# KiCad board [DFR1144][M027.00940](V1.0.0).kicad_pcb (continued)
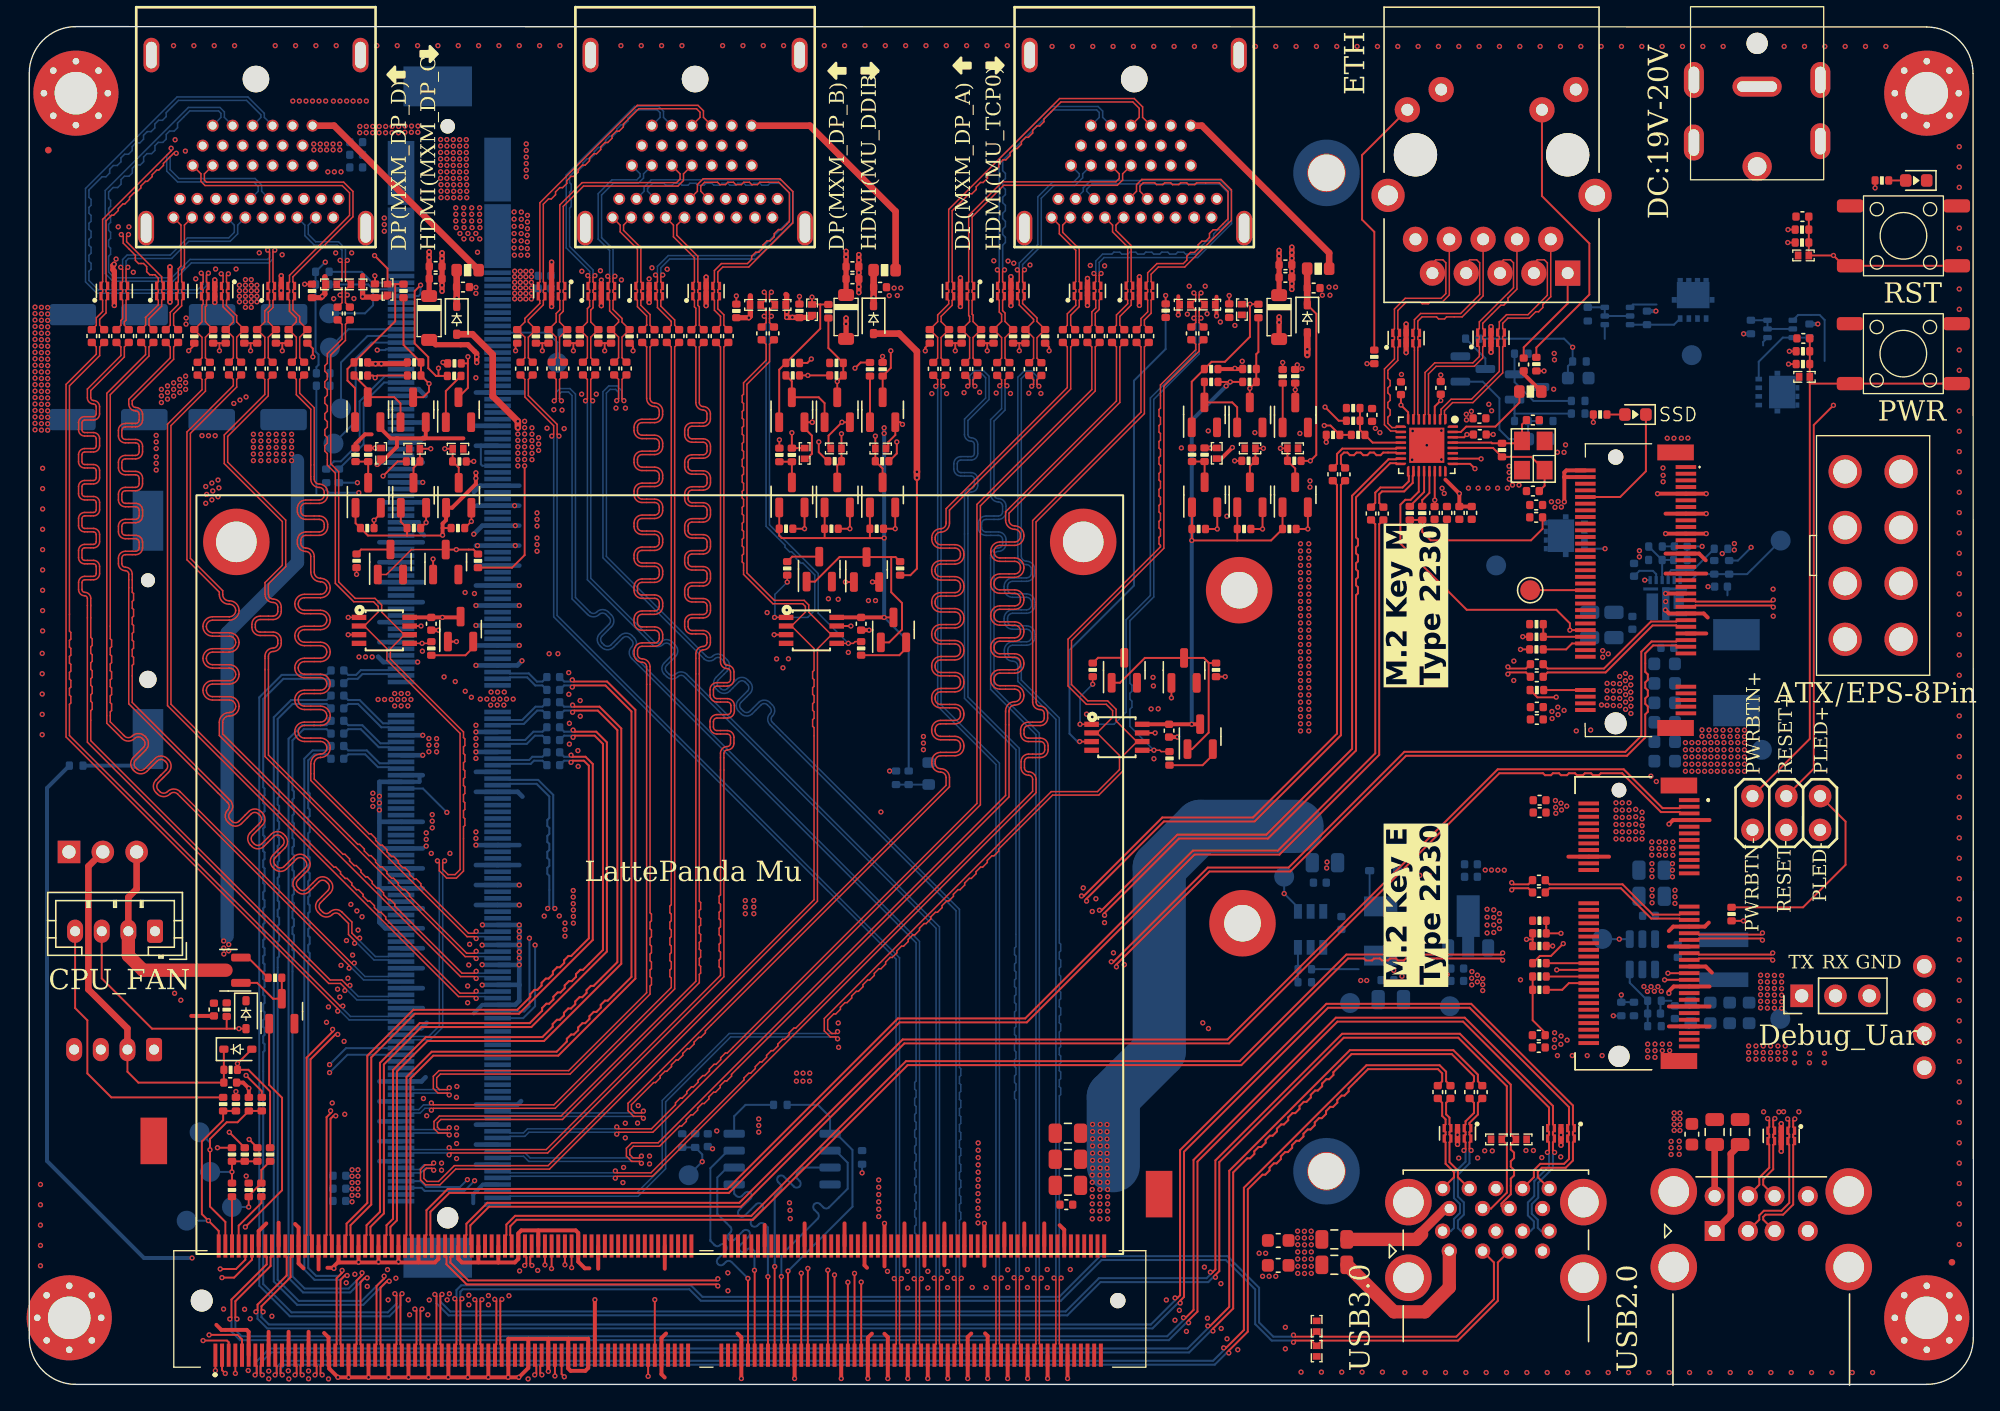
[diagram p0: board, top side]
## Placement (name value [footprint] x y rotation side) (continued)
R52  0R/1%  [R_0402_1005Metric]  113.41 34.83 180 top
R53  0R/1%  [R_0402_1005Metric]  113.41 31.64 180 top
R54  10K/1%  [R_0402_1005Metric]  113.41 29.64 180 top
R55  10K/1%  [R_0402_1005Metric]  113.41 30.64 0 top
R56  21K/1%  [R_0402_1005Metric]  116.32 73.88 0 bottom
R57  2.7K/1%  [R_0402_1005Metric]  112.05 77.43 180 bottom
R58  10K/1%  [R_0402_1005Metric]  116.32 72.93 0 bottom
R59  21.5K/1%  [R_0402_1005Metric]  112.05 72.37 180 bottom
R60  21.5K/1%  [R_0402_1005Metric]  113.92 72.37 180 bottom
R61  100K/1%  [R_0402_1005Metric]  116.42 76.84 0 bottom
R62  100K/1%  [R_0402_1005Metric]  108.38 78.56 0 bottom
R63  100R/1%  [R_0402_1005Metric]  119.56 28.2 90 bottom
R64  200R/1%  [R_0402_1005Metric]  127.84 35.33 90 top
R65  100R/1%  [R_0402_1005Metric]  133.2 76.65 180 top
R66  147K/1%  [R_0402_1005Metric]  95.79 31.19 180 bottom
R67  10K/1%  [R_0402_1005Metric]  133.2 77.61 180 top
R68  100K/1%  [R_0402_1005Metric]  120.51 28.2 90 bottom
R69  2.2K/1%  [R_0402_1005Metric]  139.13 90.44 180 top
R70  0R/1%  [R_0402_1005Metric]  17.43 14.61 90 top
R71  100R/1%  [R_0402_1005Metric]  133.13 85.78 180 top
R72  10K/1%  [R_0402_1005Metric]  133.13 86.75 180 top
R73  100K/1%  [R_0402_1005Metric]  126.54 61.38 90 bottom
R74  100R/1%  [R_0402_1005Metric]  127.66 61.38 270 bottom
R75  21.5K/1%  [R_0402_1005Metric]  122.05 28.82 0 bottom
R76  4.7K/1%  [R_0402_1005Metric]  122.05 26.91 180 bottom
R77  10K/1%  [R_0402_1005Metric]  18.46 30.54 180 top
R78  75K/1%  [R_0402_1005Metric]  124 61.93 0 bottom
R79  4.7K/1%  [R_0402_1005Metric]  15.52 21.05 270 top
R80  4.7K/1%  [R_0402_1005Metric]  15.22 17.27 270 top
R81  21.5K/1%  [R_0402_1005Metric]  16.49 21.05 90 top
R82  21.5K/1%  [R_0402_1005Metric]  16.48 14.61 90 top
R83  21.5K/1%  [R_0402_1005Metric]  17.46 21.05 270 top
R84  100R/1%  [R_0402_1005Metric]  14.56 21.05 90 top
R85  21.5K/1%  [R_0402_1005Metric]  18.08 17.27 90 top
R86  100R/1%  [R_0402_1005Metric]  16.18 17.27 90 top
R87  4.7K/1%  [R_0402_1005Metric]  14.82 28.15 270 top
R88  10K/1%  [R_0402_1005Metric]  122.12 61.93 0 bottom
R89  4.7K/1%  [R_0402_1005Metric]  15.12 23.63 0 top
R90  10K/1%  [R_0402_1005Metric]  66.04 45.57 270 bottom
R91  2.2K/1%  [R_0402_1005Metric]  63.64 64.28 0 top
R92  1M/1%  [R_0402_1005Metric]  56.83 64.28 0 top
R93  2.2K/1%  [R_0402_1005Metric]  60.24 64.28 0 top
R94  21.5K/1%  [R_0402_1005Metric]  56.33 69.82 90 top
R95  470R/1%  [R_0402_1005Metric]  36.65 78.73 270 top
R96  470R/1%  [R_0402_1005Metric]  38.05 78.73 270 top
R97  470R/1%  [R_0402_1005Metric]  40.39 78.73 270 top
R98  470R/1%  [R_0402_1005Metric]  38.99 78.73 270 top
R99  1K/1%  [R_0402_1005Metric]  57.27 69.82 90 top
R100  0R/1%  [R_0402_1005Metric]  113.19 55.21 0 top
R101  0R/1%  [R_0402_1005Metric]  92.31 80.64 90 top
R102  0R/1%  [R_0402_1005Metric]  60.01 80.62 90 top
R103  0R/1%  [R_0402_1005Metric]  28.1 82.14 90 top
R104  0R/1%  [R_0402_1005Metric]  22.3 68.25 90 bottom
R105  0R/1%  [R_0402_1005Metric]  23.25 68.25 90 bottom
R106  0R/1%  [R_0402_1005Metric]  99.8 71.33 180 top
R107  10K/1%  [R_0402_1005Metric]  22.07 75.96 0 bottom
R108  10K/1%  [R_0402_1005Metric]  22.07 75.02 180 bottom
R109  100K/1%  [R_0402_1005Metric]  22.01 82.63 180 bottom
R110  100K/1%  [R_0402_1005Metric]  39.43 79.01 180 bottom
R111  0R/1%  [R_0402_1005Metric]  113.41 32.93 180 top
R112  10K/1%  [R_0402_1005Metric]  22.01 83.58 180 bottom
R113  470R/1%  [R_0402_1005Metric]  17.11 78.73 270 top
R114  2.2K/1%  [R_0402_1005Metric]  28.83 69.33 0 top
R115  470R/1%  [R_0402_1005Metric]  20.88 78.73 270 top
R116  470R/1%  [R_0402_1005Metric]  19.48 78.73 270 top
R117  2.2K/1%  [R_0402_1005Metric]  32.3 69.33 180 top
R118  2.2K/1%  [R_0402_1005Metric]  31.91 75.76 0 top
R119  100K/1%  [R_0402_1005Metric]  28.91 76.78 180 top
R120  2.2K/1%  [R_0402_1005Metric]  28.91 75.79 0 top
R121  2.2K/1%  [R_0402_1005Metric]  24.9 75.79 180 top
R122  100K/1%  [R_0402_1005Metric]  24.9 76.78 0 top
R123  1M/1%  [R_0402_1005Metric]  21.23 82.15 270 top
R124  5.1M/1%  [R_0402_1005Metric]  25.96 82.16 270 top
R125  100K/1%  [R_0402_1005Metric]  79.86 53.68 90 top
R126  100K/1%  [R_0402_1005Metric]  85.63 47.03 270 top
R127  10K/1%  [R_0402_1005Metric]  89.12 53.68 90 top
R128  100K/1%  [R_0402_1005Metric]  56.92 61.3 90 top
R129  100K/1%  [R_0402_1005Metric]  62.47 55.29 270 top
R130  10K/1%  [R_0402_1005Metric]  65.4 61.3 90 top
R131  100K/1%  [R_0402_1005Metric]  24.58 61.87 90 top
R132  100K/1%  [R_0402_1005Metric]  30.19 55.28 270 top
R133  10K/1%  [R_0402_1005Metric]  33.7 61.87 90 top
R134  0R/1%  [R_0402_1005Metric]  65.09 45.57 270 bottom
R135  0R/1%  [R_0402_1005Metric]  97.91 71.33 0 top
R136  0R/1%  [R_0402_1005Metric]  15.22 14.61 90 top
R137  0R/1%  [R_0402_1005Metric]  17.13 17.27 270 top
R138  100K/1%  [R_0402_1005Metric]  56.4 21 180 bottom
R139  10K/1%  [R_0402_1005Metric]  49.03 18.31 270 bottom
R140  10K/1%  [R_0402_1005Metric]  95.79 30.21 180 bottom
R141  10K/1%  [R_0402_1005Metric]  117.04 80.4 90 bottom
R142  10K/1%  [R_0402_1005Metric]  121.49 80.12 270 bottom
R143  10K/1%  [R_0402_1005Metric]  129.3 79.43 90 bottom
R144  10K/1%  [R_0402_1005Metric]  133.69 79.15 270 bottom
R145  1K/1%  [R_0402_1005Metric]  122.13 62.94 180 bottom
R146  100K/1%  [R_0402_1005Metric]  127.05 62.77 180 bottom
R148  100K/1%  [R_0402_1005Metric]  91.64 76.28 180 top
R149  2.2K/1%  [R_0402_1005Metric]  91.64 75.31 0 top
R150  2.2K/1%  [R_0402_1005Metric]  88.76 75.31 180 top
R151  100K/1%  [R_0402_1005Metric]  88.76 76.27 0 top
R152  1M/1%  [R_0402_1005Metric]  85.34 80.66 270 top
R153  5.1M/1%  [R_0402_1005Metric]  90.12 80.66 270 top
R154  0R/1%  [R_0402_1005Metric]  64.09 76.26 90 top
R155  470R/1%  [R_0402_1005Metric]  41.34 78.73 270 top
R156  470R/1%  [R_0402_1005Metric]  42.74 78.73 270 top
R157  2.2K/1%  [R_0402_1005Metric]  60.49 69.35 0 top
R158  470R/1%  [R_0402_1005Metric]  45.08 78.73 270 top
R159  470R/1%  [R_0402_1005Metric]  43.69 78.73 270 top
R160  2.2K/1%  [R_0402_1005Metric]  64.05 69.35 180 top
R161  2.2K/1%  [R_0402_1005Metric]  63.14 76.26 270 top
SW1  SW_Push  [SW_Push_6x6x6]  140.74 77.43 180 top
SW2  SW_Push  [SW_Push_6x6x6]  140.75 86.28 180 top
TH1  NTC-10K  [R_0603_1608Metric]  67.55 45.89 90 bottom
TP1  TestPoint  [TestPoint_Pad_D1.5mm]  49.52 15.71 180 bottom
TP2  TestPoint  [TestPoint_Pad_D1.5mm]  112.72 59.66 270 top
TP3  TestPoint  [TestPoint_Pad_D1.5mm]  124.85 77.32 180 bottom
TP4  TestPoint  [TestPoint_Pad_D1.5mm]  131.53 63.39 180 bottom
TP5  TestPoint  [TestPoint_Pad_D1.5mm]  118.13 33.46 180 bottom
TP6  TestPoint  [TestPoint_Pad_D1.5mm]  22.85 70.68 180 bottom
TP7  TestPoint  [TestPoint_Pad_D1.5mm]  130.12 47.67 0 bottom
TP8  TestPoint  [TestPoint_Pad_D1.5mm]  131.5 27.46 0 bottom
TP9  TestPoint  [TestPoint_Pad_D1.5mm]  11.82 12.3 90 bottom
TP10  TestPoint  [TestPoint_Pad_D1.5mm]  12.79 18.94 90 bottom
TP11  TestPoint  [TestPoint_Pad_D1.5mm]  22.52 80.46 180 bottom
TP12  TestPoint  [TestPoint_Pad_D1.5mm]  39.65 76.75 90 bottom
TP13  TestPoint  [TestPoint_Pad_D1.5mm]  23.41 73.31 180 bottom
TP14  TestPoint  [TestPoint_Pad_D1.5mm]  22.58 77.89 180 bottom
TP15  TestPoint  [TestPoint_Pad_D1.5mm]  15.22 13.32 180 bottom
TP16  TestPoint  [TestPoint_Pad_D1.5mm]  13.58 15.96 180 bottom
TP17  TestPoint  [TestPoint_Pad_D1.5mm]  106.69 28.41 270 bottom
TP18  TestPoint  [TestPoint_Pad_D1.5mm]  110.16 61.52 180 bottom
TP19  TestPoint  [TestPoint_Pad_D1.5mm]  94.24 38.14 90 bottom
TP20  TestPoint  [TestPoint_Pad_D1.5mm]  99.19 28.65 270 bottom
U1  TPAZ1023-04F  [Diodes_UDFN-10_1.0x2.5mm_P0.5mm]  69.93 82.13 270 top
U2  TPAZ1023-04F  [Diodes_UDFN-10_1.0x2.5mm_P0.5mm]  73.72 82.14 90 top
U3  TPAZ1023-04F  [Diodes_UDFN-10_1.0x2.5mm_P0.5mm]  46.55 82.13 90 top
U4  TPAZ1023-04F  [Diodes_UDFN-10_1.0x2.5mm_P0.5mm]  50.83 82.13 90 top
U5  RTL8111H-CG-RH  [QFN-32-1EP_4x4mm_P0.4mm_EP2.65x2.65mm]  104.95 70.55 270 top
U6  ULC0524P  [Diodes_UDFN-10_1.0x2.5mm_P0.5mm]  103.4 78.6 90 top
U7  ULC0524P  [Diodes_UDFN-10_1.0x2.5mm_P0.5mm]  109.78 78.63 90 top
U8  TL431ACDBZR  [SOT-23]  112.48 74.93 0 bottom
U9  HM7533HBPR  [SOT-89-3]  108.06 34.74 90 bottom
U10  SY8253ADC  [TSOT-23-6]  121.14 32.31 90 bottom
U11  HDMI+DP  [HDMI_DP Connector]  59.04 97.04 180 top
U12  TPAZ1023-04F  [Diodes_UDFN-10_1.0x2.5mm_P0.5mm]  39.22 82.13 270 top
U13  TPAZ1023-04F  [Diodes_UDFN-10_1.0x2.5mm_P0.5mm]  42.96 82.13 90 top
U15  ULC0524P  [Diodes_UDFN-10_1.0x2.5mm_P0.5mm]  131.57 18.67 270 top
U16  LMR16006XDDCR  [SOT-23-THIN-6]  96.23 34.18 270 bottom
U17  TPAZ1023-04F  [Diodes_UDFN-10_1.0x2.5mm_P0.5mm]  13.93 82.13 270 top
U18  TPAZ1023-04F  [Diodes_UDFN-10_1.0x2.5mm_P0.5mm]  18.92 82.13 90 top
U19  TPAZ1023-04F  [Diodes_UDFN-10_1.0x2.5mm_P0.5mm]  10.56 82.14 90 top
U20  TPAZ1023-04F  [Diodes_UDFN-10_1.0x2.5mm_P0.5mm]  6.39 82.14 90 top
U21  SN74LVC2G66DCTR  [MSOP-8]  81.68 48.61 180 top
U22  SN74LVC2G66DCTR  [MSOP-8]  58.74 56.65 180 top
U23  SN74LVC2G66DCTR  [MSOP-8]  26.66 56.65 180 top
U24  ULC0524P  [Diodes_UDFN-10_1.0x2.5mm_P0.5mm]  107.26 18.86 270 top
U25  ULC0524P  [Diodes_UDFN-10_1.0x2.5mm_P0.5mm]  115.03 18.86 270 top
U26  HDMI+DP  [HDMI_DP Connector]  26.06 97.04 180 top
U27  TPAZ1023-04F  [Diodes_UDFN-10_1.0x2.5mm_P0.5mm]  79.47 82.15 90 top
U28  TPAZ1023-04F  [Diodes_UDFN-10_1.0x2.5mm_P0.5mm]  83.37 82.15 90 top
U29  W25Q128JVSIQ  [SOIC-8_5.23x5.23mm_P1.27mm]  56.54 16.92 180 bottom
U31  HDMI+DP  [HDMI_DP Connector]  92.02 97.04 180 top
U32  ~  [QFN-10_L3.0-W3.0-P0.45-TL_SILERGY]  122.85 59.12 180 bottom
Y1  25MHz  [Crystal_SMD_3225-4Pin_3.2x2.5mm]  112.95 69.78 90 top

## Library data of the parts
A1 = -: Description: Intel Processor N100 up to 3.4 GHz quad core, 8GB RAM, 64GB eMMC, SoM computer; Buy_Link: https://item.szlcsc.com/5812308.html; DF_Comment: 连接器_DDR4-SODIMM-260P-8H_TE_2309411-1; ki_fp_filters: *SODIMM*
BT1 = -: Buy_Link: https://item.szlcsc.com/1049689.html; DF_Comment: CR1220电池座贴片塑料
C1-C9 C19-C29 C31 C34 C38 C40 C44 C46 C56 C64 C65 C69-C79 C83 C85 C107-C114 C130 C131 C142-C145 C161 C162 C164 C165 C168 C170 C175 = -: DF_Comment: 贴片电容0402-100nF-50V-X7R_CC0402KRX7R9BB104; SCH_Show_Footprint: C0402; ki_fp_filters: C_*
C10-C18 C80 C81 C97-C99 C102 C106 C115-C125 C127-C129 C148-C158 = -: DF_Comment: 贴片电容0402-100nF-50V-X7R_CC0402KRX7R9BB104; SCH_Show_Footprint: C0402; Footprint&Size: 0402/X7R; ki_fp_filters: C_*
C30 C37 C39 C43 C45 = -: DF_Comment: 贴片电容0402-10UF-10V-X5R_GRM155R61A106ME44D; SCH_Show_Footprint: C0402; ki_fp_filters: C_*
C32 C33 C58 = -: DF_Comment: 贴片电容0402-12pF-50V-NPO(0402); SCH_Show_Footprint: C0402; ki_fp_filters: C_*
C35 C36 C41 C42 = -: Buy_Link: https://item.szlcsc.com/137804.html; DF_Comment: 贴片电容0402-220nF-16V-X7R; SCH_Show_Footprint: C0402; ki_fp_filters: C_*
C47 C48 = -: DF_Comment: 贴片电容0603-1uF-50V-X5R(0603-1.6*0.8*0.5); SCH_Show_Footprint: C0603; ki_fp_filters: C_*
C49 C50 C52 C53 C61 C63 C67 C160 C167 = -: DF_Comment: 贴片电容0805-22uF-35V-X5R; SCH_Show_Footprint: C0805; ki_fp_filters: C_*
C51 C54 C141 = -: DF_Comment: 贴片电容0402-2.2uF-10V-X5R(0402); SCH_Show_Footprint: C0402; ki_fp_filters: C_*
C55 C57 C59 C166 C173 C174 = -: DF_Comment: 贴片电容0603-22uF-10V-X5R(0603); SCH_Show_Footprint: C0603; ki_fp_filters: C_*
C60 C62 C66 C68 C132 C146 C147 = -: DF_Comment: 贴片电容0603-22uF-10V-X5R(0603); SCH_Show_Footprint: C603; ki_fp_filters: C_*
C82 C126 C159 = -: DF_Comment: 贴片电容0402-10UF-10V-X5R_GRM155R61A106ME44D; SCH_Show_Footprint: C0402; Footprint&Size: 0402/X5R; ki_fp_filters: C_*
C84 C86 = -: DF_Comment: 贴片电容0402-2.2uF-10V-X5R(0402); SCH_Show_Footprint: C0603; ki_fp_filters: C_*
C87-C94 C133-C140 = -: DF_Comment: 贴片电容0402-220nF-16V-X7R; SCH_Show_Footprint: C0402; Footprint&Size: 0402/X7R; ki_fp_filters: C_*
C95 C96 = -: DF_Comment: 贴片铝电解6.3*5.4-47uF-25V（品牌：先科）; SCH_Show_Footprint: C5x5.8; Footprint&Size: C6*5; ki_fp_filters: CP_*
C100 C101 = -: DF_Comment: 贴片铝电解6.3*7.7-100uF-25V; SCH_Show_Footprint: C5x5.8; Footprint&Size: C6*7; ki_fp_filters: CP_*
C103-C105 = -: DF_Comment: 贴片电容0402-2.2uF-10V-X5R(0402); SCH_Show_Footprint: C0402; Footprint&Size: 0402/X5R; ki_fp_filters: C_*
C169 = -: DF_Comment: 贴片电容0402-220pF-50V-C0G; SCH_Show_Footprint: C0402; ki_fp_filters: C_*
D1-D3 D10 D13 D16-D18 D21-D23 D33-D36 = -: Datasheet: https://www.onsemi.com/pub/Collateral/ESD9B-D.PDF; Buy_Link: https://item.szlcsc.com/539388.html; DF_Comment: 双向静电保护二极管_ESD5V0B03-1006_DFN1006; SCH_Show_Footprint: D0402; ki_fp_filters: D*SOD?923*
D4 D14 D15 D19 D24 = -: Datasheet: https://datasheet.lcsc.com/lcsc/2204281430_Guangdong-Hottech-1N5819WS_C191023.pdf; DF_Comment: 二极管-1N5819W-SOD323备选型号:B5819WS、JSPD140A; SCH_Show_Footprint: SOD-323; ki_fp_filters: D*SOD?323*
D5-D7 D25-D27 D43-D45 = -: Buy_Link: https://item.szlcsc.com/539388.html; DF_Comment: 双向静电保护二极管_ESD5V0B03-1006_DFN1006; SCH_Show_Footprint: D0402; Footprint&Size: 0402; ki_fp_filters: D*SOD?923*
D8 D28 D46 = -: DF_Comment: 二极管1N5819W-SOD123[备选型号:JSPI140A]; SCH_Show_Footprint: SOD-123; Footprint&Size: SOD-123; ki_fp_filters: D*SOD?323*
D9 = -: DF_Comment: 贴片LED蓝色0603(0603); SCH_Show_Footprint: LED0603; ki_fp_filters: LED* LED_SMD:* LED_THT:*
D11 = -: DF_Comment: 贴片LED红色0603(0603); SCH_Show_Footprint: LED0603; ki_fp_filters: LED* LED_SMD:* LED_THT:*
D12 = -: DF_Comment: 二极管-1N5819W-SOD323备选型号:B5819WS、JSPD140A; SCH_Show_Footprint: SMA; ki_fp_filters: TO-???* *_Diode_* *SingleDiode* D_*
F1 F2 F6 = -: Buy_Link: https://item.szlcsc.com/8530937.html; DF_Comment: 0603贴片自恢复保险丝0.05A-6V_0603L005-6AR; SCH_Show_Footprint: R0805; ki_fp_filters: *Fuse*
F3 F7 = -: Buy_Link: https://item.szlcsc.com/258562.html; DF_Comment: 0805贴片自恢复保险丝500mA/6V-SMD0805B050TF; SCH_Show_Footprint: R0805; ki_fp_filters: *Fuse*
F4 F5 = -: DF_Comment: 0805贴片自恢复保险丝1A-6V_BSMD0805-100-6V; SCH_Show_Footprint: R0805; ki_fp_filters: *Fuse*
FID1-FID4 = -: ki_fp_filters: Fiducial*
H1-H4 = -: ki_fp_filters: MountingHole*Pad*
H5 H6 = -: DF_Comment: 贴片螺母柱M2XC4X5.5+C3X1.5; Buy_Link: https://item.taobao.com/item.htm?abbucket=8&id=655855111684&ns=1&skuId=4725777108077&spm=a21n57.1.0.0.5263523chYMn0X; ki_fp_filters: MountingHole*Pad*
H7 H8 = -: Buy_Link: https://item.taobao.com/item.htm?abbucket=8&id=655855111684&ns=1&skuId=4725777108077&spm=a21n57.1.0.0.5263523chYMn0X; DF_Comment: 贴片螺母柱M2XC4X2.5+C2.7X1.5; ki_fp_filters: MountingHole*Pad*
H9 H10 = -: Buy_Link: https://item.taobao.com/item.htm?abbucket=8&id=655855111684&ns=1&skuId=4725777108077&spm=a21n57.1.0.0.5263523chYMn0X; DF_Comment: 贴片螺母柱M2X₵4X5.0+₵2.7X1.5; ki_fp_filters: MountingHole*Pad*
J1 J8 = -: DF_Comment: 2.54黑色单排排针-3P; ki_fp_filters: Connector*:*_1x??_*
J2 = -: DF_Comment: USB2.0-A型双层白胶母座; ki_fp_filters: USB*
J4 = -: Datasheet: https://datasheet.lcsc.com/szlcsc/1901091107_UDE-Corp-RB1-125B8G1A_C363353.pdf; Buy_Link: https://item.szlcsc.com/337919.html; DF_Comment: 千兆RJ45_HRK1-1A73G02-32A1BB-1R; ki_fp_filters: RJ45*UDE*RB1*125B8G1A*
J5 = -: Datasheet: http://read.pudn.com/downloads794/doc/project/3133918/PCIe_M.2_Electromechanical_Spec_Rev1.0_Final_11012013_RS_Clean.pdf#page=155; Buy_Link: https://item.szlcsc.com/8568582.html; DF_Comment: M.2连接器KEY-M_H4.2mm-67P_APCI0107-P001A; ki_fp_filters: *M*2*M*
J6 = -: Datasheet: http://read.pudn.com/downloads794/doc/project/3133918/PCIe_M.2_Electromechanical_Spec_Rev1.0_Final_11012013_RS_Clean.pdf#page=150; Buy_Link: https://item.szlcsc.com/8568583.html; DF_Comment: M.2连接器KEY-E_H4.2mm-67P_APCI0108-P001A; ki_fp_filters: *M*2*E*
J7 = -: Buy_Link: https://item.szlcsc.com/19360929.html; DF_Comment: DC2.5电源母座_12V/10A_XDJK-060B-055; ki_fp_filters: BarrelJack*
J11 = -: Description: MXM3.0 connector; Buy_Link: https://item.taobao.com/item.htm?abbucket=4&id=673212690652&ns=1&priceTId=213e383e17168000402914402e65c8&spm=a21n57.1.item.84.6bd7523cZx1R5x&skuId=5015948058753; DF_Comment: 连接器_AS0B826-S78B-7H_MXM接口
J13 = -: Buy_Link: https://item.szlcsc.com/3132965.html; DF_Comment: 双层USB3.0_A母座_USB-303WSD-BRY; ki_fp_filters: USB3?A*Stacked*
J14 = -: 字段 5: https://item.szlcsc.com/23833721.html; Buy_Link: https://item.taobao.com/item.htm?abbucket=4&id=596387584211&ns=1&priceTId=2147810d17176591350658112ec2cf&skuId=4317737250057&spm=a21n57.1.item.2.a749523cBxi9Jd; DF_Comment: MX4.2mm直针插座_5569-8P
JP3 = -: DF_Comment: 2.54黑色3x2P排针
L2 = -: DF_Comment: 贴片屏蔽电感2.2uH_4.0*4.0*2.0_4A; ki_fp_filters: Choke_* *Coil* Inductor_* L_*
L3 = -: DF_Comment: 贴片屏蔽电感22uH_MWSA0402S-220MT_4.4*4.2*2.0; ki_fp_filters: Choke_* *Coil* Inductor_* L_*
L4 = -: DF_Comment: 贴片一体电感1.5uH_7.0*6.6*2.8_12A; ki_fp_filters: Choke_* *Coil* Inductor_* L_*
M1 M2 = -: Datasheet: http://www.formfactors.org/developer%5Cspecs%5Crev1_2_public.pdf; Buy_Link: https://item.szlcsc.com/255571.html; DF_Comment: PH2.0-4A直针插座(2.0-4P直)-DL; ki_fp_filters: FanPinHeader*P2.54mm*Vertical* PinHeader*P2.54mm*Vertical* TerminalBlock*
M3 = -: Buy_Link: https://item.taobao.com/item.htm?abbucket=13&id=669652212532&ns=1&priceTId=2147bf7c17157381545692405e0464&spm=a21n57.1.item.30.7095523cfCZVQE&skuId=4824727761523; DF_Comment: 2510错位直针座_4P_2.54mm; ki_fp_filters: FanPinHeader*P2.54mm*Vertical* PinHeader*P2.54mm*Vertical* TerminalBlock*
Q1 Q7 Q9 Q10 Q15 = -: Datasheet: https://www.onsemi.com/pub/Collateral/NDS7002A-D.PDF; DF_Comment: 2N7002-N沟道MOS管-SOT-23[备选型号:JMTL2N7002K]; ki_fp_filters: SOT?23*
Q2-Q4 Q8 Q16-Q20 = -: Datasheet: https://www.onsemi.com/pub/Collateral/NDS7002A-D.PDF; Buy_Link: https://item.szlcsc.com/774253.html; DF_Comment: NMOS_2SK3018_SOT-23; ki_fp_filters: SOT?23*
Q5 Q6 Q21-Q31 Q34 Q35 = -: Buy_Link: https://item.szlcsc.com/774253.html; DF_Comment: NMOS_2SK3018_SOT-23; Footprint&Size: SOT-23; ki_fp_filters: SOT?23*
Q11 Q13 Q14 = -: DF_Comment: PMOS管NCE30P28Q-DFN3.3X3.3-8L
Q12 = -: Description: PMOS管AO3407-SOT23-3; DF_Comment: PMOS管AO3407-SOT23-3; ki_fp_filters: SOT?23*
Q33 Q37 = -: Datasheet: https://atta.szlcsc.com/upload/public/pdf/source/20170418/1492506308717.pdf; DF_Comment: 双PNP匹配三极管-BCM857BS-7-F-SOT363; ki_fp_filters: SOT?363*
R1 R61 R62 R68 R73 R109 R110 R138 R146 = -: DF_Comment: 贴片电阻0402-100K-1%; ki_fp_filters: R_*
R2 R12 R13 R35 R36 R46 R51 R99 R100 R145 = -: DF_Comment: 贴片电阻0402-1K-1%; ki_fp_filters: R_*
R3 R40 R41 R54 R55 R58 R67 R72 R77 R88 R90 R107 R108 R112 R139-R144 = -: DF_Comment: 贴片电阻0402-10K-1%; ki_fp_filters: R_*
R4 R6 R16 R19 R20 R27 R29 R50 R69 R91 R93 R114 R117 R118 R157 R160 R161 = -: DF_Comment: 贴片电阻0402-2.2K-1%; ki_fp_filters: R_*
R5 R28 R43 R92 = -: DF_Comment: 贴片电阻0402-1M-1%; ki_fp_filters: R_*
R7 R30 R59 R60 R75 R81-R83 R85 R94 = -: DF_Comment: 贴片电阻0402-21.5K-1%; ki_fp_filters: R_*
R8-R11 R14 R15 R17 R18 R31-R34 R37 R44 R45 R95-R98 R113 R115 R116 R155 R156 R158 R159 = -: DF_Comment: 贴片电阻0402-470R-1%; ki_fp_filters: R_*
R21-R23 R119-R121 R148-R150 = -: DF_Comment: 贴片电阻0402-2.2K-1%; Footprint&Size: 0402; ki_fp_filters: R_*
R24 R122 R125 R126 R128 R129 R131 R132 R151 = -: DF_Comment: 贴片电阻0402-100K-1%; Footprint&Size: 0402; ki_fp_filters: R_*
R25 R123 R152 = -: DF_Comment: 贴片电阻0402-1M-1%; Footprint&Size: 0402; ki_fp_filters: R_*
R26 R124 R153 = -: DF_Comment: 贴片电阻0402-5.1M-1%; Footprint&Size: 0402; ki_fp_filters: R_*
R38 R106 = -: DF_Comment: 贴片电阻0402-0R-1%; 字段 9: NC; ki_fp_filters: R_*
R39 R47 R49 R52 R53 R70 R104 R105 R111 R134-R137 R154 = -: DF_Comment: 贴片电阻0402-0R-1%; ki_fp_filters: R_*
R42 = -: DF_Comment: 贴片电阻0603-2.49K-1%(0603-1.6*0.8*0.4); ki_fp_filters: R_*
R56 = -: DF_Comment: 贴片电阻0402-21K-1%; ki_fp_filters: R_*
R57 = -: DF_Comment: 贴片电阻0402-2.7K-1%; ki_fp_filters: R_*
R63 R65 R71 R74 R84 R86 = -: DF_Comment: 贴片电阻0402-100R-1%; ki_fp_filters: R_*
R64 = -: DF_Comment: 贴片电阻0402-200R-1%; ki_fp_filters: R_*
R66 = -: DF_Comment: 贴片电阻0402-147K-1%; ki_fp_filters: R_*
R76 R79 R80 R87 R89 = -: DF_Comment: 贴片电阻0402-4.7K-1%; ki_fp_filters: R_*
R78 = -: DF_Comment: 贴片电阻0402-75K-1%; ki_fp_filters: R_*
R101-R103 = -: DF_Comment: 贴片电阻0402-0R-1%; Footprint&Size: 0402; ki_fp_filters: R_*
R127 R130 R133 = -: DF_Comment: 贴片电阻0402-10K-1%; Footprint&Size: 0402; ki_fp_filters: R_*
SW1 SW2 = -: DF_Comment: 4脚贴片轻触按键6*6*6mm(金属盖板)
TH1 = -: DF_Comment: 贴片热敏电阻0603-SDNT1608X103F3950FTF-10K; SCH_Show_Footprint: https://item.szlcsc.com/266512.html; ki_fp_filters: *NTC* *Thermistor* PIN?ARRAY* bornier* *Terminal?Block* R_*
TP1 TP3-TP20 = -: Description: test point; ki_fp_filters: Pin* Test*
TP2 = -: ki_fp_filters: Pin* Test*
U1 U2 U12 U13 U17 U18 = -: Datasheet: https://www.diodes.com/assets/Datasheets/D3V3XA4B10LP.pdf; Buy_Link: https://item.szlcsc.com/2973358.html; DF_Comment: ESD静电保护IC-TPAZ1023-04F-DFN2510-10L; ki_fp_filters: Diodes*UDFN*1.0x2.5mm*P0.5mm*
U3 U4 U19 U20 U27 U28 = -: Buy_Link: https://item.szlcsc.com/2973358.html; DF_Comment: ESD静电保护IC-TPAZ1023-04F-DFN2510-10L; Footprint&Size: DFN2510; ki_fp_filters: Diodes*UDFN*1.0x2.5mm*P0.5mm*
U5 = -: DF_Comment: 以太网控制器IC-RTL8111H-CG-RH(PCIE-LAN)-QFN32; ki_fp_filters: RTL8111H_QFN32
U6 U7 U15 U24 U25 = -: Datasheet: https://www.diodes.com/assets/Datasheets/D3V3XA4B10LP.pdf; DF_Comment: ESD静电保护IC-BV-ULC0524P-DFN2510-10L; ki_fp_filters: Diodes*UDFN*1.0x2.5mm*P0.5mm*
U8 = -: Datasheet: http://www.ti.com/lit/ds/symlink/tl431.pdf; DF_Comment: 参考电压-TL431ACDBZR-SOT23（丝印TAC）; ki_fp_filters: SOT?23*
U9 = -: Description: 高压LDO_HM7533HBPR_SOT89; DF_Comment: 高压LDO_HM7533HBPR_SOT89
U10 = -: Datasheet: https://atta.szlcsc.com/upload/public/pdf/source/20180625/C93736_E75EC6FD4320D65590D2D5BF0D8B8959.pdf; Buy_Link: https://item.szlcsc.com/94934.html; DF_Comment: DCDC同步降压芯片_SY8253ADC_TSOT23-6; ki_fp_filters: TSOT?23*
U11 U26 U31 = -: Description: https://item.taobao.com/item.htm?id=626808711917&sku_properties=1627207:22677000742&spm=a21m98.27004841; Buy_Link: https://item.taobao.com/item.htm?id=626808711917&spm=a21m98.27004841; DF_Comment: DP+HDMI双接口座_DP+HDMI-L22.0H-带柱
U16 = -: Description: 异步开关降压IC_LMR16006XDDCR_SOT23-6; DF_Comment: 异步开关降压IC_LMR16006XDDCR_SOT23-6
U21-U23 = -: Buy_Link: https://item.szlcsc.com/2743822.html?kw=SN74LVC2G66DCTR&fromZone=s; DF_Comment: 模拟开关_SN74LVC2G66DCTR_MSOP-8; ki_fp_filters: DCT8 DCT8-M DCT8-L
U29 = -: Datasheet: http://www.winbond.com/resource-files/w25q128jv_dtr%20revc%2003272018%20plus.pdf; Description: 存储器-W25Q128JVSIQ-SOIC-8-208-mil; ki_fp_filters: SOIC*5.23x5.23mm*P1.27mm*
U32 = -: DF_Comment: 8A同步整流降压IC-SY8368-QFN10(3*3mm)（丝印YW ）
Y1 = -: DF_Comment: 贴片晶振-4脚无源-25M-20ppm-3.2*2.5(3225); ki_fp_filters: Crystal*

## Footprints (pads in the part's own frame, mm; a bottom-side part is the same pattern mirrored in y, then rotated)
Battery_Holder_CR1220_S8411-45R
  round 1.3 hole 1.3 unplated: (0,-3.725)
  round 1.05 hole 1.05 unplated: (0,3.725)
  rect 2.3x4.5 smd: 1(0,-8.2) 2(0,8.2)
C_0402_1005Metric
  rrect 0.56x0.62 smd: 1(-0.48,0) 2(0.48,0)
C_0603_1608Metric
  rrect 0.9x0.95 smd: 1(-0.775,0) 2(0.775,0)
C_0805_2012Metric
  rrect 1x1.45 smd: 1(-0.95,0) 2(0.95,0)
CONN-TH_4P-P2.54_CAX_2510-4A
  round 1.7 hole 1.1: 1(3.81,0) 2(1.27,0) 3(-1.27,0) 4(-3.81,0)
CP_Elec_6.3x7.7
  rrect 3.5x1.6 smd: 1(-2.7,0) 2(2.7,0)
CPU_PWRCONN-8P
  round 2.5 hole 1.8: 1(-6.3,-1.45) 2(-2.1,-1.45) 3(2.1,-1.45) 4(6.3,-1.45) 5(-6.3,2.75) 6(-2.1,2.75) 7(2.1,2.75) 8(6.3,2.75)
Crystal_SMD_3225-4Pin_3.2x2.5mm
  rect 1.4x1.2 smd: 1(-1.1,-0.85) 2(1.1,-0.85) 3(1.1,0.85) 4(-1.1,0.85)
D_SOD-123
  rrect 0.9x1.2 smd: 1(-1.65,0) 2(1.65,0)
D_SOD-323
  rrect 0.7x0.55 smd: 1(-1.05,0) 2(1.05,0)
DC_Jack_DC007B_30V_10A
  round 1.6 hole 1.6 unplated: (0,-2.75)
  round 2.2 hole 1.4: 1(0,-12)
  oval 3.7x1.5 hole 3x0.8: 2(0,-6)
  oval 1.5x2.7 hole 0.8x2: 3(-4.75,-5.5) 3(-4.75,-10.2) 3(4.75,-5.5) 3(4.75,-10.1)
DDR4_SODIMM_260P_8.0H_STD
  round 1.15 hole 1.15 unplated: (-34.4,7.588)
  round 1.65 hole 1.65 unplated: (34.4,7.588)
  rect 0.3x1.75 smd: 1(33.375,11.688) 2(33.125,3.488) 3(32.875,11.688) 4(32.625,3.488) 5(32.375,11.688) 6(32.125,3.488) 7(31.875,11.688) 8(31.625,3.488) 9(31.375,11.688) 10(31.125,3.488) 11(30.875,11.688) 12(30.625,3.488) 13(30.375,11.688) 14(30.125,3.488) 15(29.875,11.688) 16(29.625,3.488) 17(29.375,11.688) 18(29.125,3.488) 19(28.875,11.688) 20(28.625,3.488) 21(28.375,11.688) 22(28.125,3.488) 23(27.875,11.688) 24(27.625,3.488) 25(27.375,11.688) 26(27.125,3.488) 27(26.875,11.688) 28(26.625,3.488) 29(26.375,11.688) 30(26.125,3.488) 31(25.875,11.688) 32(25.625,3.488) 33(25.375,11.688) 34(25.125,3.488) 35(24.875,11.688) 36(24.625,3.488) 37(24.375,11.688) 38(24.125,3.488) 39(23.875,11.688) 40(23.625,3.488) 41(23.375,11.688) 42(23.125,3.488) 43(22.875,11.688) 44(22.625,3.488) 45(22.375,11.688) 46(22.125,3.488) 47(21.875,11.688) 48(21.625,3.488) 49(21.375,11.688) 50(21.125,3.488) 51(20.875,11.688) 52(20.625,3.488) 53(20.375,11.688) 54(20.125,3.488) 55(19.875,11.688) 56(19.625,3.488) 57(19.375,11.688) 58(19.125,3.488) 59(18.875,11.688) 60(18.625,3.488) 61(18.375,11.688) 62(18.125,3.488) 63(17.875,11.688) 64(17.625,3.488) 65(17.375,11.688) 66(17.125,3.488) 67(16.875,11.688) 68(16.625,3.488) 69(16.375,11.688) 70(16.125,3.488) 71(15.875,11.688) 72(15.625,3.488) 73(15.375,11.688) 74(15.125,3.488) 75(14.875,11.688) 76(14.625,3.488) 77(14.375,11.688) 78(14.125,3.488) 79(13.875,11.688) 80(13.625,3.488) 81(13.375,11.688) 82(13.125,3.488) 83(12.875,11.688) 84(12.625,3.488) 85(12.375,11.688) 86(12.125,3.488) 87(11.875,11.688) 88(11.625,3.488) 89(11.375,11.688) 90(11.125,3.488) 91(10.875,11.688) 92(10.625,3.488) 93(10.375,11.688) 94(10.125,3.488) 95(9.875,11.688) 96(9.625,3.488) 97(9.375,11.688) 98(9.125,3.488) 99(8.875,11.688) 100(8.625,3.488) 101(8.375,11.688) 102(8.125,3.488) 103(7.875,11.688) 104(7.625,3.488) 105(7.375,11.688) 106(7.125,3.488) 107(6.875,11.688) 108(6.625,3.488) 109(6.375,11.688) 110(6.125,3.488) 111(5.875,11.688) 112(5.625,3.488) 113(5.375,11.688) 114(5.125,3.488) 115(4.875,11.688) 116(4.625,3.488) 117(4.375,11.688) 118(4.125,3.488) 119(3.875,11.688) 120(3.625,3.488) 121(3.375,11.688) 122(3.125,3.488) 123(2.875,11.688) 124(2.625,3.488) 125(2.375,11.688) 126(2.125,3.488) 127(1.875,11.688) 128(1.625,3.488) 129(1.375,11.688) 130(1.125,3.488) 131(0.875,11.688) 132(0.625,3.488) 133(0.375,11.688) 134(0.125,3.488) 135(-0.125,11.688) 136(-0.375,3.488) 137(-0.625,11.688) 138(-0.875,3.488) 139(-1.125,11.688) 140(-1.375,3.488) 141(-1.625,11.688) 142(-1.875,3.488) 143(-2.125,11.688) 144(-2.375,3.488) 145(-4.625,11.688) 146(-4.875,3.488) 147(-5.125,11.688) 148(-5.375,3.488) 149(-5.625,11.688) 150(-5.875,3.488) 151(-6.125,11.688) 152(-6.375,3.488) 153(-6.625,11.688) 154(-6.875,3.488) 155(-7.125,11.688) 156(-7.375,3.488) 157(-7.625,11.688) 158(-7.875,3.488) 159(-8.125,11.688) 160(-8.375,3.488) 161(-8.625,11.688) 162(-8.875,3.488) 163(-9.125,11.688) 164(-9.375,3.488) 165(-9.625,11.688) 166(-9.875,3.488) 167(-10.125,11.688) 168(-10.375,3.488) 169(-10.625,11.688) 170(-10.875,3.488) 171(-11.125,11.688) 172(-11.375,3.488) 173(-11.625,11.688) 174(-11.875,3.488) 175(-12.125,11.688) 176(-12.375,3.488) 177(-12.625,11.688) 178(-12.875,3.488) 179(-13.125,11.688) 180(-13.375,3.488) 181(-13.625,11.688) 182(-13.875,3.488) 183(-14.125,11.688) 184(-14.375,3.488) 185(-14.625,11.688) 186(-14.875,3.488) 187(-15.125,11.688) 188(-15.375,3.488) 189(-15.625,11.688) 190(-15.875,3.488) 191(-16.125,11.688) 192(-16.375,3.488) 193(-16.625,11.688) 194(-16.875,3.488) 195(-17.125,11.688) 196(-17.375,3.488) 197(-17.625,11.688) 198(-17.875,3.488) 199(-18.125,11.688) 200(-18.375,3.488) 201(-18.625,11.688) 202(-18.875,3.488) 203(-19.125,11.688) 204(-19.375,3.488) 205(-19.625,11.688) 206(-19.875,3.488) 207(-20.125,11.688) 208(-20.375,3.488) 209(-20.625,11.688) 210(-20.875,3.488) 211(-21.125,11.688) 212(-21.375,3.488) 213(-21.625,11.688) 214(-21.875,3.488) 215(-22.125,11.688) 216(-22.375,3.488) 217(-22.625,11.688) 218(-22.875,3.488) 219(-23.125,11.688) 220(-23.375,3.488) 221(-23.625,11.688) 222(-23.875,3.488) 223(-24.125,11.688) 224(-24.375,3.488) 225(-24.625,11.688) 226(-24.875,3.488) 227(-25.125,11.688) 228(-25.375,3.488) 229(-25.625,11.688) 230(-25.875,3.488) 231(-26.125,11.688) 232(-26.375,3.488) 233(-26.625,11.688) 234(-26.875,3.488) 235(-27.125,11.688) 236(-27.375,3.488) 237(-27.625,11.688) 238(-27.875,3.488) 239(-28.125,11.688) 240(-28.375,3.488) 241(-28.625,11.688) 242(-28.875,3.488) 243(-29.125,11.688) 244(-29.375,3.488) 245(-29.625,11.688) 246(-29.875,3.488) 247(-30.125,11.688) 248(-30.375,3.488) 249(-30.625,11.688) 250(-30.875,3.488) 251(-31.125,11.688) 252(-31.375,3.488) 253(-31.625,11.688) 254(-31.875,3.488) 255(-32.125,11.688) 256(-32.375,3.488) 257(-32.625,11.688) 258(-32.875,3.488) 259(-33.125,11.688) 260(-33.375,3.488)
  rect 2x3.5 smd: MP1(38,-4.412) MP2(-37.5,-0.412)
DFN1006-2L-BI
  rect 0.5x0.6 smd: 1(-0.4,0) 2(0.4,0)
Diodes_UDFN-10_1.0x2.5mm_P0.5mm
  rect 0.625x0.25 smd: 1(-0.388,1) 2(-0.388,0.5) 4(-0.388,-0.5) 5(-0.388,-1) 6(0.388,-1) 7(0.388,-0.5) 9(0.388,0.5) 10(0.388,1)
  rect 0.7x0.4 smd: 3(-0.35,0)
  rect 0.575x0.4 smd: 8(0.412,0)
Fiducial_0.5mm_Mask1mm
  round 0.5 smd: (0,0)
Fuse_0805_2012Metric
  rrect 0.975x1.4 smd: 1(-0.938,0) 2(0.938,0)
HDMI_DP Connector
  round 2 hole 2 unplated: (9.04,-1.02)
  round 0.9 hole 0.6: D1(15.24,9.38) D2(14.74,7.98) D3(13.84,9.38) D4(13.44,7.98) D5(12.54,9.38) D6(12.04,7.98) D7(11.24,9.38) D8(10.74,7.98) D9(9.84,9.38) D10(9.44,7.98) D11(8.54,9.38) D12(8.04,7.98) D13(7.24,9.38) D14(6.74,7.98) D15(5.94,9.38) D16(5.44,7.98) D17(4.54,9.38) D18(4.14,7.98) D19(3.24,9.38) D20(2.84,7.98) H1(13.79,5.48) H2(13.04,3.98) H3(12.29,5.48) H4(12.29,2.48) H5(11.54,3.98) H6(10.79,2.48) H7(10.79,5.48) H8(10.04,3.98) H9(9.29,5.48) H10(9.29,2.48) H11(8.54,3.98) H12(7.79,2.48) H13(7.79,5.48) H14(7.04,3.98) H15(6.29,5.48) H16(6.29,2.48) H17(5.54,3.98) H18(4.79,2.48) H19(4.79,5.48)
  oval 1.2x2.6 hole 0.8x2.2: SH(0.79,10.18) SH(17.29,10.18)
  oval 1.2x2.6 hole 0.8x2: SH(1.19,-2.82) SH(16.89,-2.82)
IND-SMD_L7.2-W6.6_GPSR0730
  rect 2.35x3.5 smd: 1(-2.85,0) 2(2.85,0)
JST_PH_B4B-PH-K_1x04_P2.00mm_Vertical
  rrect 1.2x1.75 hole 0.75: 1(0,0)
  oval 1.2x1.75 hole 0.75: 2(2,0) 3(4,0) 4(6,0)
L_Sunlord_SWPA4020S
  rect 1.1x3.7 smd: 1(-1.5,0) 2(1.5,0)
L_Sunlord_SWPA4020S#2
  rect 1.5x2.5 smd: 1(-1.85,0) 2(1.85,0)
LED_0603_1608Metric
  rrect 0.875x0.95 smd: 1(-0.787,0) 2(0.787,0)
MOSFET_PDFN8_3.3x3.3
  rect 0.35x0.5 smd: 1(-0.975,-1.4) 2(-0.325,-1.4) 3(0.325,-1.4) 4(0.975,-1.4)
  rect 0.4x0.3 smd: 5(0.975,1.5) 6(0.325,1.5) 7(-0.325,1.5) 8(-0.975,1.5)
  rect 2.45x1.98 smd: 9(0,0.36)
  rect 0.38x0.43 smd: 10(1.415,0) 11(-1.415,0)
MountingHole_2.7mm_M2_Pad_TopOnly
  round 2.9 hole 2.75: 1(0,0)
  round 5 smd: 1(0,0)
MountingHole_3.2mm_M3_Pad_Via
  round 0.8 hole 0.5: 1(-2.4,0) 1(-1.697,1.697) 1(-1.697,-1.697) 1(0,2.4) 1(0,-2.4) 1(1.697,1.697) 1(1.697,-1.697) 1(2.4,0)
  round 6.4 hole 3.2: 1(0,0)
MountingHole_3mm_M2_Pad_TopOnly
  round 3.2 hole 3.05: 1(0,0)
  round 5 smd: 1(0,0)
MSOP-8
  rect 1.1x0.4 smd: 1(1.9,-0.975) 2(1.9,-0.325) 3(1.9,0.325) 4(1.9,0.975) 5(-1.9,0.975) 6(-1.9,0.325) 7(-1.9,-0.325) 8(-1.9,-0.975)
